# KiCad board panel.kicad_pcb (continued)
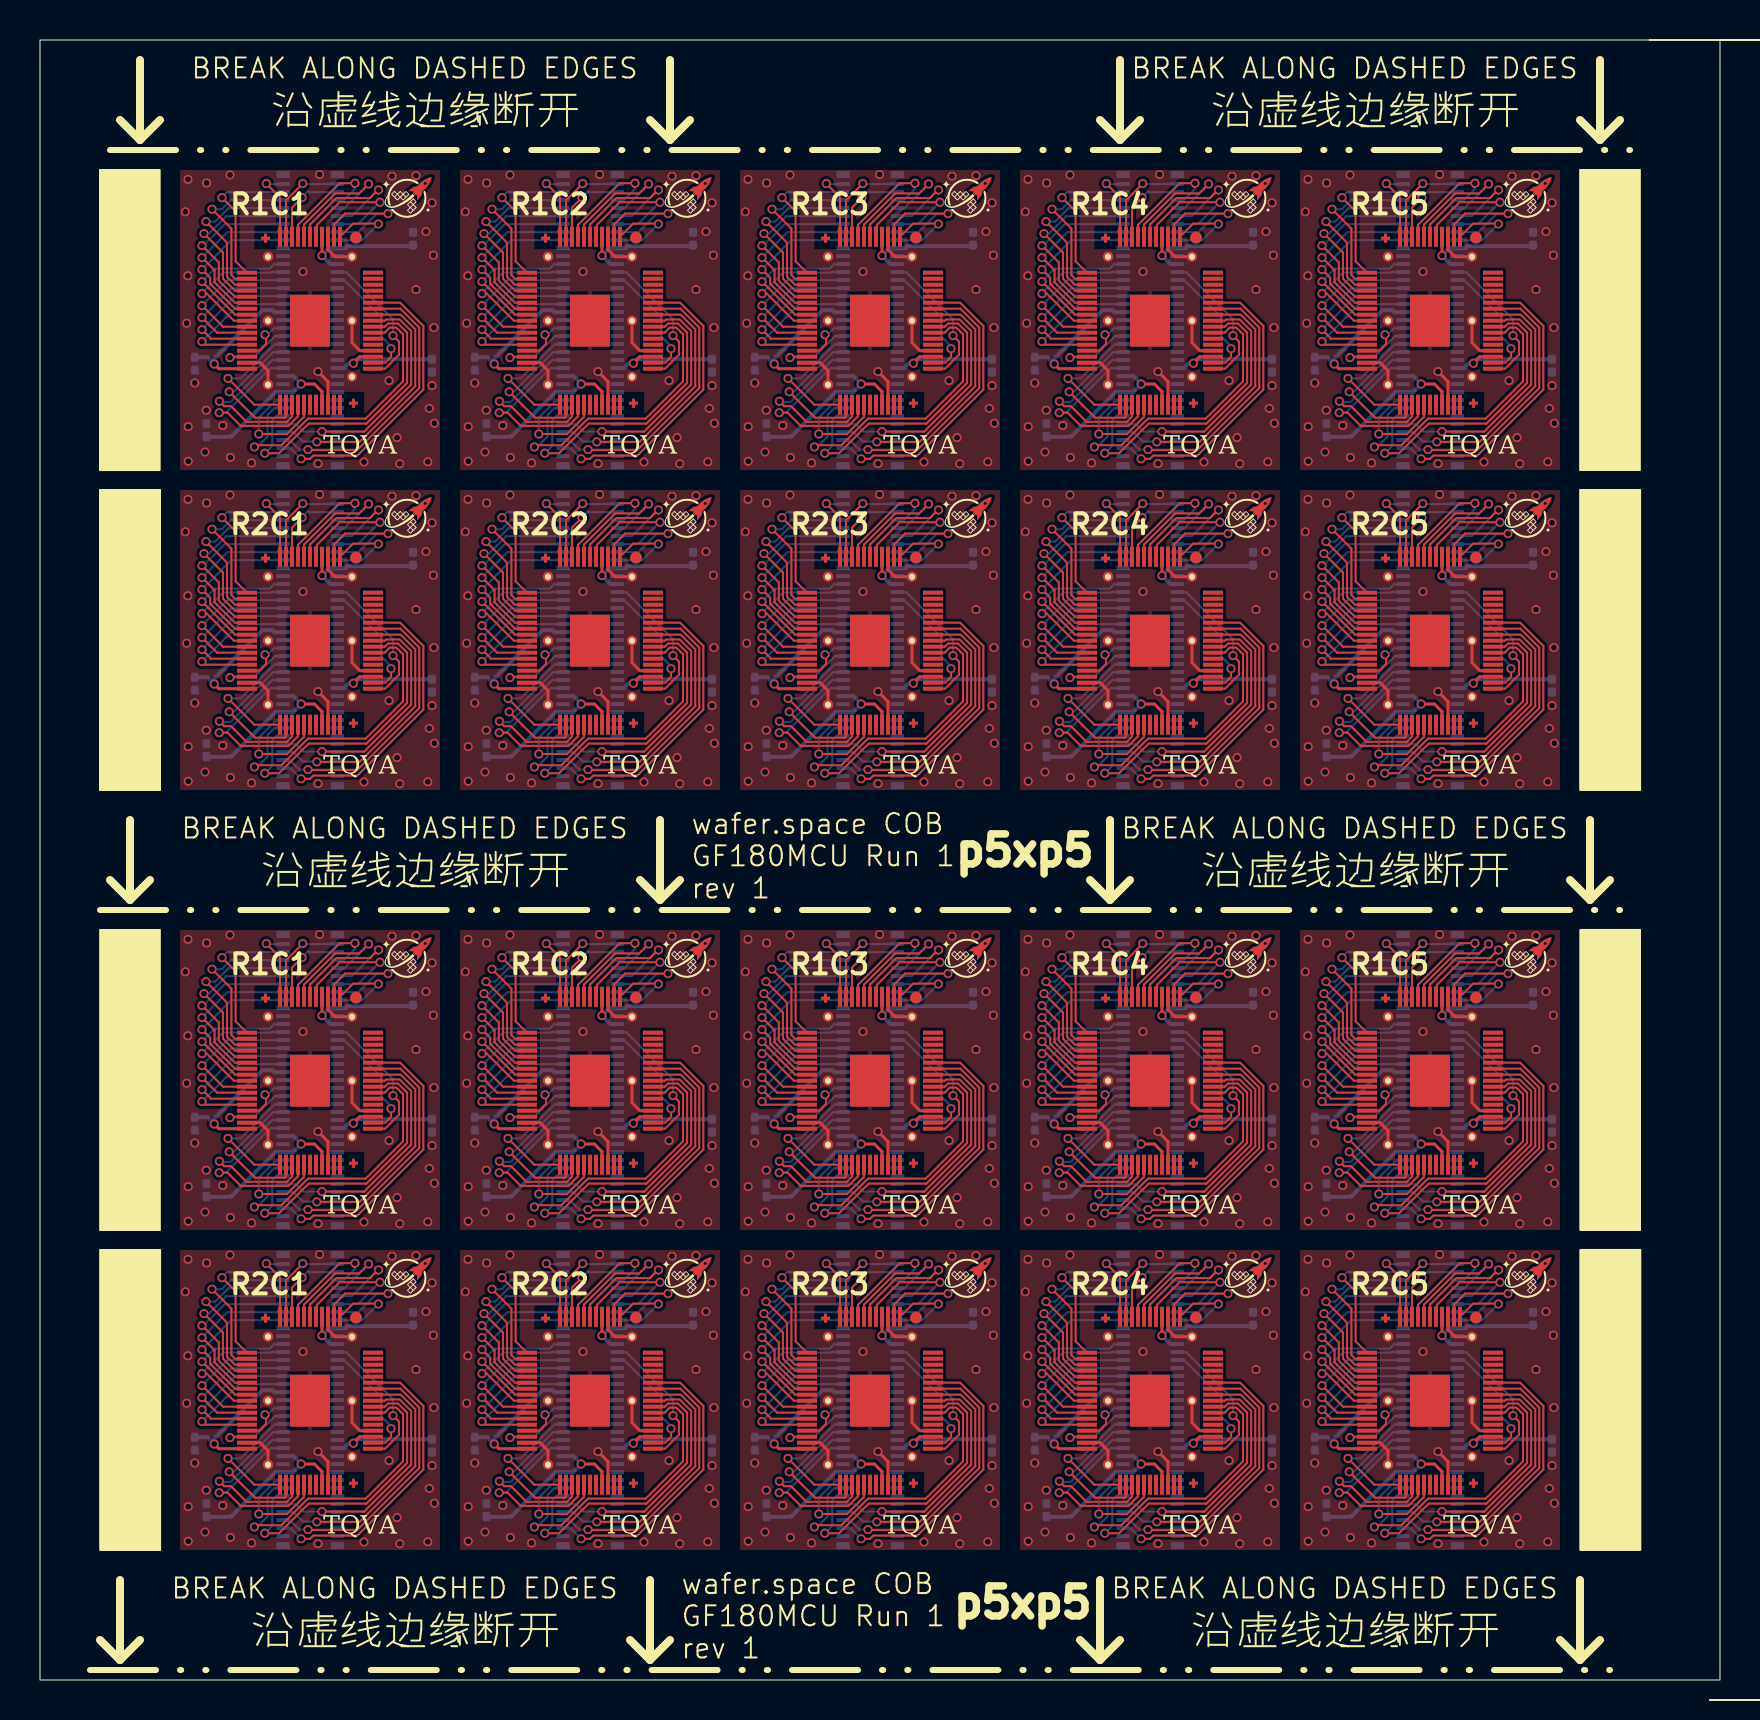
[diagram p0: board, top side]
## Nets (continued)
/bidir_7: U101.69 U101#2.69 U102.12 U102#2.12 U103.69 U103#2.69 U104.12 U104#2.12 U105.69 U105#2.69 U106.12 U106#2.12 U107.69 U107#2.69 U108.12 U108#2.12 U109.69 U109#2.69 U110.12 U110#2.12 U111.69 U111#2.69 U112.12 U112#2.12 U113.69 U113#2.69 U114.12 U114#2.12 U115.69 U115#2.69 U116.12 U116#2.12 U117.69 U117#2.69 U118.12 U118#2.12 U119.69 U119#2.69 U120.12 U120#2.12
/bidir_8: U101.68 U101#2.68 U102.13 U102#2.13 U103.68 U103#2.68 U104.13 U104#2.13 U105.68 U105#2.68 U106.13 U106#2.13 U107.68 U107#2.68 U108.13 U108#2.13 U109.68 U109#2.68 U110.13 U110#2.13 U111.68 U111#2.68 U112.13 U112#2.13 U113.68 U113#2.68 U114.13 U114#2.13 U115.68 U115#2.68 U116.13 U116#2.13 U117.68 U117#2.68 U118.13 U118#2.13 U119.68 U119#2.68 U120.13 U120#2.13
/bidir_9: U101.67 U101#2.67 U102.14 U102#2.14 U103.67 U103#2.67 U104.14 U104#2.14 U105.67 U105#2.67 U106.14 U106#2.14 U107.67 U107#2.67 U108.14 U108#2.14 U109.67 U109#2.67 U110.14 U110#2.14 U111.67 U111#2.67 U112.14 U112#2.14 U113.67 U113#2.67 U114.14 U114#2.14 U115.67 U115#2.67 U116.14 U116#2.14 U117.67 U117#2.67 U118.14 U118#2.14 U119.67 U119#2.67 U120.14 U120#2.14
/bidir_10: U101.66 U101#2.66 U102.15 U102#2.15 U103.66 U103#2.66 U104.15 U104#2.15 U105.66 U105#2.66 U106.15 U106#2.15 U107.66 U107#2.66 U108.15 U108#2.15 U109.66 U109#2.66 U110.15 U110#2.15 U111.66 U111#2.66 U112.15 U112#2.15 U113.66 U113#2.66 U114.15 U114#2.15 U115.66 U115#2.66 U116.15 U116#2.15 U117.66 U117#2.66 U118.15 U118#2.15 U119.66 U119#2.66 U120.15 U120#2.15
/bidir_11: U101.65 U101#2.65 U102.16 U102#2.16 U103.65 U103#2.65 U104.16 U104#2.16 U105.65 U105#2.65 U106.16 U106#2.16 U107.65 U107#2.65 U108.16 U108#2.16 U109.65 U109#2.65 U110.16 U110#2.16 U111.65 U111#2.65 U112.16 U112#2.16 U113.65 U113#2.65 U114.16 U114#2.16 U115.65 U115#2.65 U116.16 U116#2.16 U117.65 U117#2.65 U118.16 U118#2.16 U119.65 U119#2.65 U120.16 U120#2.16
/bidir_12: U101.64 U101#2.64 U102.17 U102#2.17 U103.64 U103#2.64 U104.17 U104#2.17 U105.64 U105#2.64 U106.17 U106#2.17 U107.64 U107#2.64 U108.17 U108#2.17 U109.64 U109#2.64 U110.17 U110#2.17 U111.64 U111#2.64 U112.17 U112#2.17 U113.64 U113#2.64 U114.17 U114#2.17 U115.64 U115#2.64 U116.17 U116#2.17 U117.64 U117#2.64 U118.17 U118#2.17 U119.64 U119#2.64 U120.17 U120#2.17
/bidir_13: U101.63 U101#2.63 U102.18 U102#2.18 U103.63 U103#2.63 U104.18 U104#2.18 U105.63 U105#2.63 U106.18 U106#2.18 U107.63 U107#2.63 U108.18 U108#2.18 U109.63 U109#2.63 U110.18 U110#2.18 U111.63 U111#2.63 U112.18 U112#2.18 U113.63 U113#2.63 U114.18 U114#2.18 U115.63 U115#2.63 U116.18 U116#2.18 U117.63 U117#2.63 U118.18 U118#2.18 U119.63 U119#2.63 U120.18 U120#2.18
/bidir_14: U101.60 U101#2.60 U102.19 U102#2.19 U103.60 U103#2.60 U104.19 U104#2.19 U105.60 U105#2.60 U106.19 U106#2.19 U107.60 U107#2.60 U108.19 U108#2.19 U109.60 U109#2.60 U110.19 U110#2.19 U111.60 U111#2.60 U112.19 U112#2.19 U113.60 U113#2.60 U114.19 U114#2.19 U115.60 U115#2.60 U116.19 U116#2.19 U117.60 U117#2.60 U118.19 U118#2.19 U119.60 U119#2.60 U120.19 U120#2.19
/bidir_15: U101.59 U101#2.59 U102.20 U102#2.20 U103.59 U103#2.59 U104.20 U104#2.20 U105.59 U105#2.59 U106.20 U106#2.20 U107.59 U107#2.59 U108.20 U108#2.20 U109.59 U109#2.59 U110.20 U110#2.20 U111.59 U111#2.59 U112.20 U112#2.20 U113.59 U113#2.59 U114.20 U114#2.20 U115.59 U115#2.59 U116.20 U116#2.20 U117.59 U117#2.59 U118.20 U118#2.20 U119.59 U119#2.59 U120.20 U120#2.20
/bidir_16: U101.58 U101#2.58 U102.21 U102#2.21 U103.58 U103#2.58 U104.21 U104#2.21 U105.58 U105#2.58 U106.21 U106#2.21 U107.58 U107#2.58 U108.21 U108#2.21 U109.58 U109#2.58 U110.21 U110#2.21 U111.58 U111#2.58 U112.21 U112#2.21 U113.58 U113#2.58 U114.21 U114#2.21 U115.58 U115#2.58 U116.21 U116#2.21 U117.58 U117#2.58 U118.21 U118#2.21 U119.58 U119#2.58 U120.21 U120#2.21
/bidir_17: U101.57 U101#2.57 U102.22 U102#2.22 U103.57 U103#2.57 U104.22 U104#2.22 U105.57 U105#2.57 U106.22 U106#2.22 U107.57 U107#2.57 U108.22 U108#2.22 U109.57 U109#2.57 U110.22 U110#2.22 U111.57 U111#2.57 U112.22 U112#2.22 U113.57 U113#2.57 U114.22 U114#2.22 U115.57 U115#2.57 U116.22 U116#2.22 U117.57 U117#2.57 U118.22 U118#2.22 U119.57 U119#2.57 U120.22 U120#2.22
/bidir_18: U101.56 U101#2.56 U102.23 U102#2.23 U103.56 U103#2.56 U104.23 U104#2.23 U105.56 U105#2.56 U106.23 U106#2.23 U107.56 U107#2.56 U108.23 U108#2.23 U109.56 U109#2.56 U110.23 U110#2.23 U111.56 U111#2.56 U112.23 U112#2.23 U113.56 U113#2.56 U114.23 U114#2.23 U115.56 U115#2.56 U116.23 U116#2.23 U117.56 U117#2.56 U118.23 U118#2.23 U119.56 U119#2.56 U120.23 U120#2.23
/bidir_19: U101.55 U101#2.55 U102.24 U102#2.24 U103.55 U103#2.55 U104.24 U104#2.24 U105.55 U105#2.55 U106.24 U106#2.24 U107.55 U107#2.55 U108.24 U108#2.24 U109.55 U109#2.55 U110.24 U110#2.24 U111.55 U111#2.55 U112.24 U112#2.24 U113.55 U113#2.55 U114.24 U114#2.24 U115.55 U115#2.55 U116.24 U116#2.24 U117.55 U117#2.55 U118.24 U118#2.24 U119.55 U119#2.55 U120.24 U120#2.24
/bidir_20: U101.52 U101#2.52 U102.25 U102#2.25 U103.52 U103#2.52 U104.25 U104#2.25 U105.52 U105#2.52 U106.25 U106#2.25 U107.52 U107#2.52 U108.25 U108#2.25 U109.52 U109#2.52 U110.25 U110#2.25 U111.52 U111#2.52 U112.25 U112#2.25 U113.52 U113#2.52 U114.25 U114#2.25 U115.52 U115#2.52 U116.25 U116#2.25 U117.52 U117#2.52 U118.25 U118#2.25 U119.52 U119#2.52 U120.25 U120#2.25
/bidir_21: U101.51 U101#2.51 U102.26 U102#2.26 U103.51 U103#2.51 U104.26 U104#2.26 U105.51 U105#2.51 U106.26 U106#2.26 U107.51 U107#2.51 U108.26 U108#2.26 U109.51 U109#2.51 U110.26 U110#2.26 U111.51 U111#2.51 U112.26 U112#2.26 U113.51 U113#2.51 U114.26 U114#2.26 U115.51 U115#2.51 U116.26 U116#2.26 U117.51 U117#2.51 U118.26 U118#2.26 U119.51 U119#2.51 U120.26 U120#2.26
/bidir_22: U101.50 U101#2.50 U102.29 U102#2.29 U103.50 U103#2.50 U104.29 U104#2.29 U105.50 U105#2.50 U106.29 U106#2.29 U107.50 U107#2.50 U108.29 U108#2.29 U109.50 U109#2.50 U110.29 U110#2.29 U111.50 U111#2.50 U112.29 U112#2.29 U113.50 U113#2.50 U114.29 U114#2.29 U115.50 U115#2.50 U116.29 U116#2.29 U117.50 U117#2.50 U118.29 U118#2.29 U119.50 U119#2.50 U120.29 U120#2.29
/bidir_23: U101.49 U101#2.49 U102.30 U102#2.30 U103.49 U103#2.49 U104.30 U104#2.30 U105.49 U105#2.49 U106.30 U106#2.30 U107.49 U107#2.49 U108.30 U108#2.30 U109.49 U109#2.49 U110.30 U110#2.30 U111.49 U111#2.49 U112.30 U112#2.30 U113.49 U113#2.49 U114.30 U114#2.30 U115.49 U115#2.49 U116.30 U116#2.30 U117.49 U117#2.49 U118.30 U118#2.30 U119.49 U119#2.49 U120.30 U120#2.30
/bidir_24: U101.48 U101#2.48 U102.31 U102#2.31 U103.48 U103#2.48 U104.31 U104#2.31 U105.48 U105#2.48 U106.31 U106#2.31 U107.48 U107#2.48 U108.31 U108#2.31 U109.48 U109#2.48 U110.31 U110#2.31 U111.48 U111#2.48 U112.31 U112#2.31 U113.48 U113#2.48 U114.31 U114#2.31 U115.48 U115#2.48 U116.31 U116#2.31 U117.48 U117#2.48 U118.31 U118#2.31 U119.48 U119#2.48 U120.31 U120#2.31
/bidir_25: U101.47 U101#2.47 U102.32 U102#2.32 U103.47 U103#2.47 U104.32 U104#2.32 U105.47 U105#2.47 U106.32 U106#2.32 U107.47 U107#2.47 U108.32 U108#2.32 U109.47 U109#2.47 U110.32 U110#2.32 U111.47 U111#2.47 U112.32 U112#2.32 U113.47 U113#2.47 U114.32 U114#2.32 U115.47 U115#2.47 U116.32 U116#2.32 U117.47 U117#2.47 U118.32 U118#2.32 U119.47 U119#2.47 U120.32 U120#2.32
/bidir_26: U101.43 U101#2.43 U102.33 U102#2.33 U103.43 U103#2.43 U104.33 U104#2.33 U105.43 U105#2.43 U106.33 U106#2.33 U107.43 U107#2.43 U108.33 U108#2.33 U109.43 U109#2.43 U110.33 U110#2.33 U111.43 U111#2.43 U112.33 U112#2.33 U113.43 U113#2.43 U114.33 U114#2.33 U115.43 U115#2.43 U116.33 U116#2.33 U117.43 U117#2.43 U118.33 U118#2.33 U119.43 U119#2.43 U120.33 U120#2.33
/bidir_27: U101.42 U101#2.42 U102.46 U102#2.46 U103.42 U103#2.42 U104.46 U104#2.46 U105.42 U105#2.42 U106.46 U106#2.46 U107.42 U107#2.42 U108.46 U108#2.46 U109.42 U109#2.42 U110.46 U110#2.46 U111.42 U111#2.42 U112.46 U112#2.46 U113.42 U113#2.42 U114.46 U114#2.46 U115.42 U115#2.42 U116.46 U116#2.46 U117.42 U117#2.42 U118.46 U118#2.46 U119.42 U119#2.42 U120.46 U120#2.46
/bidir_28: U101.41 U101#2.41 U102.47 U102#2.47 U103.41 U103#2.41 U104.47 U104#2.47 U105.41 U105#2.41 U106.47 U106#2.47 U107.41 U107#2.41 U108.47 U108#2.47 U109.41 U109#2.41 U110.47 U110#2.47 U111.41 U111#2.41 U112.47 U112#2.47 U113.41 U113#2.41 U114.47 U114#2.47 U115.41 U115#2.41 U116.47 U116#2.47 U117.41 U117#2.41 U118.47 U118#2.47 U119.41 U119#2.41 U120.47 U120#2.47
/bidir_29: U101.40 U101#2.40 U102.48 U102#2.48 U103.40 U103#2.40 U104.48 U104#2.48 U105.40 U105#2.40 U106.48 U106#2.48 U107.40 U107#2.40 U108.48 U108#2.48 U109.40 U109#2.40 U110.48 U110#2.48 U111.40 U111#2.40 U112.48 U112#2.48 U113.40 U113#2.40 U114.48 U114#2.48 U115.40 U115#2.40 U116.48 U116#2.48 U117.40 U117#2.40 U118.48 U118#2.48 U119.40 U119#2.40 U120.48 U120#2.48
/bidir_30: U101.39 U101#2.39 U102.49 U102#2.49 U103.39 U103#2.39 U104.49 U104#2.49 U105.39 U105#2.39 U106.49 U106#2.49 U107.39 U107#2.39 U108.49 U108#2.49 U109.39 U109#2.39 U110.49 U110#2.49 U111.39 U111#2.39 U112.49 U112#2.49 U113.39 U113#2.39 U114.49 U114#2.49 U115.39 U115#2.39 U116.49 U116#2.49 U117.39 U117#2.39 U118.49 U118#2.49 U119.39 U119#2.39 U120.49 U120#2.49
/bidir_31: U101.38 U101#2.38 U102.50 U102#2.50 U103.38 U103#2.38 U104.50 U104#2.50 U105.38 U105#2.38 U106.50 U106#2.50 U107.38 U107#2.38 U108.50 U108#2.50 U109.38 U109#2.38 U110.50 U110#2.50 U111.38 U111#2.38 U112.50 U112#2.50 U113.38 U113#2.38 U114.50 U114#2.50 U115.38 U115#2.38 U116.50 U116#2.50 U117.38 U117#2.38 U118.50 U118#2.50 U119.38 U119#2.38 U120.50 U120#2.50
/bidir_32: U101.37 U101#2.37 U102.51 U102#2.51 U103.37 U103#2.37 U104.51 U104#2.51 U105.37 U105#2.37 U106.51 U106#2.51 U107.37 U107#2.37 U108.51 U108#2.51 U109.37 U109#2.37 U110.51 U110#2.51 U111.37 U111#2.37 U112.51 U112#2.51 U113.37 U113#2.37 U114.51 U114#2.51 U115.37 U115#2.37 U116.51 U116#2.51 U117.37 U117#2.37 U118.51 U118#2.51 U119.37 U119#2.37 U120.51 U120#2.51
/clk: U101.8 U101#2.8 U102.1 U102#2.1 U103.8 U103#2.8 U104.1 U104#2.1 U105.8 U105#2.8 U106.1 U106#2.1 U107.8 U107#2.8 U108.1 U108#2.1 U109.8 U109#2.8 U110.1 U110#2.1 U111.8 U111#2.8 U112.1 U112#2.1 U113.8 U113#2.8 U114.1 U114#2.1 U115.8 U115#2.8 U116.1 U116#2.1 U117.8 U117#2.8 U118.1 U118#2.1 U119.8 U119#2.8 U120.1 U120#2.1
/in_0: U101.12 U101#2.12 U102.40 U102#2.40 U103.12 U103#2.12 U104.40 U104#2.40 U105.12 U105#2.12 U106.40 U106#2.40 U107.12 U107#2.12 U108.40 U108#2.40 U109.12 U109#2.12 U110.40 U110#2.40 U111.12 U111#2.12 U112.40 U112#2.40 U113.12 U113#2.12 U114.40 U114#2.40 U115.12 U115#2.12 U116.40 U116#2.40 U117.12 U117#2.12 U118.40 U118#2.40 U119.12 U119#2.12 U120.40 U120#2.40
/in_1: U101.13 U101#2.13 U102.41 U102#2.41 U103.13 U103#2.13 U104.41 U104#2.41 U105.13 U105#2.13 U106.41 U106#2.41 U107.13 U107#2.13 U108.41 U108#2.41 U109.13 U109#2.13 U110.41 U110#2.41 U111.13 U111#2.13 U112.41 U112#2.41 U113.13 U113#2.13 U114.41 U114#2.41 U115.13 U115#2.13 U116.41 U116#2.41 U117.13 U117#2.13 U118.41 U118#2.41 U119.13 U119#2.13 U120.41 U120#2.41
/rst_n: U101.7 U101#2.7 U102.2 U102#2.2 U103.7 U103#2.7 U104.2 U104#2.2 U105.7 U105#2.7 U106.2 U106#2.2 U107.7 U107#2.7 U108.2 U108#2.2 U109.7 U109#2.7 U110.2 U110#2.2 U111.7 U111#2.7 U112.2 U112#2.2 U113.7 U113#2.7 U114.2 U114#2.2 U115.7 U115#2.7 U116.2 U116#2.2 U117.7 U117#2.7 U118.2 U118#2.2 U119.7 U119#2.7 U120.2 U120#2.2

Pads without a net: U101 14 15 16 17 19 20 21 22 23 26 27 28 29 30 31 32 33 34 35 36 62; U101#2 14 15 16 17 19 20 21 22 23 26 27 28 29 30 31 32 33 34 35 36 62; U102 34 35 38 39 44 45 52 53 54 55 56; U102#2 34 35 38 39 44 45 52 53 54 55 56; U103 14 15 16 17 19 20 21 22 23 26 27 28 29 30 31 32 33 34 35 36 62; U103#2 14 15 16 17 19 20 21 22 23 26 27 28 29 30 31 32 33 34 35 36 62; U104 34 35 38 39 44 45 52 53 54 55 56; U104#2 34 35 38 39 44 45 52 53 54 55 56; U105 14 15 16 17 19 20 21 22 23 26 27 28 29 30 31 32 33 34 35 36 62; U105#2 14 15 16 17 19 20 21 22 23 26 27 28 29 30 31 32 33 34 35 36 62; U106 34 35 38 39 44 45 52 53 54 55 56; U106#2 34 35 38 39 44 45 52 53 54 55 56; U107 14 15 16 17 19 20 21 22 23 26 27 28 29 30 31 32 33 34 35 36 62; U107#2 14 15 16 17 19 20 21 22 23 26 27 28 29 30 31 32 33 34 35 36 62; U108 34 35 38 39 44 45 52 53 54 55 56; U108#2 34 35 38 39 44 45 52 53 54 55 56; U109 14 15 16 17 19 20 21 22 23 26 27 28 29 30 31 32 33 34 35 36 62; U109#2 14 15 16 17 19 20 21 22 23 26 27 28 29 30 31 32 33 34 35 36 62; U110 34 35 38 39 44 45 52 53 54 55 56; U110#2 34 35 38 39 44 45 52 53 54 55 56; U111 14 15 16 17 19 20 21 22 23 26 27 28 29 30 31 32 33 34 35 36 62; U111#2 14 15 16 17 19 20 21 22 23 26 27 28 29 30 31 32 33 34 35 36 62; U112 34 35 38 39 44 45 52 53 54 55 56; U112#2 34 35 38 39 44 45 52 53 54 55 56; U113 14 15 16 17 19 20 21 22 23 26 27 28 29 30 31 32 33 34 35 36 62; U113#2 14 15 16 17 19 20 21 22 23 26 27 28 29 30 31 32 33 34 35 36 62; U114 34 35 38 39 44 45 52 53 54 55 56; U114#2 34 35 38 39 44 45 52 53 54 55 56; U115 14 15 16 17 19 20 21 22 23 26 27 28 29 30 31 32 33 34 35 36 62; U115#2 14 15 16 17 19 20 21 22 23 26 27 28 29 30 31 32 33 34 35 36 62; U116 34 35 38 39 44 45 52 53 54 55 56; U116#2 34 35 38 39 44 45 52 53 54 55 56; U117 14 15 16 17 19 20 21 22 23 26 27 28 29 30 31 32 33 34 35 36 62; U117#2 14 15 16 17 19 20 21 22 23 26 27 28 29 30 31 32 33 34 35 36 62; U118 34 35 38 39 44 45 52 53 54 55 56; U118#2 34 35 38 39 44 45 52 53 54 55 56; U119 14 15 16 17 19 20 21 22 23 26 27 28 29 30 31 32 33 34 35 36 62; U119#2 14 15 16 17 19 20 21 22 23 26 27 28 29 30 31 32 33 34 35 36 62; U120 34 35 38 39 44 45 52 53 54 55 56; U120#2 34 35 38 39 44 45 52 53 54 55 56

## Via types
v1: diameter 0.45, hole 0.3, Top to Bottom, 1480 vias

## Routing (per net, layer and track width the routed paths; a pad name or vN(x,y) marks a point on that pad's centre or on a via; arc(x,y) is an arc through that point)
GND: length 161.8
  Top w0.15: U116#2.43 43.99,12.47 43.6,12.86 U116#2.59 ; U104#2.60 28.76,33.17 28.4,33.52 U104#2.3 ; v1(27.9,65.42) 28.4,64.92 U104.37 ; U116#2.27 39.01,11.86 39.4,11.47 U116#2.63 ; U106.60 42.76,33.17 42.4,33.52 U106.3 ; U120.43 71.99,50.47 71.6,50.86 U120.59 ; U110.60 70.76,33.17 70.4,33.52 U110.3 ; U106#2.43 43.99,66.47 43.6,66.86 U106#2.59 ; U110.27 67.01,27.86 67.4,27.47 U110.63 ; U102#2.60 14.76,33.17 14.4,33.52 U102#2.3 ; U120#2.27 67.01,11.86 67.4,11.47 U120#2.63 ; v1(55.9,65.42) 56.4,64.92 U108#2.37 ; U116.59 43.6,50.86 43.99,50.47 U116.43 ; U110.37 70.4,26.92 v1(69.9,27.42) ; v1(69.9,11.42) 70.4,10.92 U120#2.37 ; U118.27 53.01,49.86 53.4,49.47 U118.63 ; U114#2.63 25.4,49.47 25.01,49.86 U114#2.27 ; v1(55.9,49.42) 56.4,48.92 U118.37 ; U106.43 43.99,28.47 43.6,28.86 U106.59 ; U112.59 15.6,50.86 15.99,50.47 U112.43 ; U102.27 11.01,65.87 11.4,65.47 U102.63 ; v1(13.9,49.42) 14.4,48.92 U112.37 ; U112.60 14.76,55.17 14.4,55.52 U112.3 ; U110#2.60 70.76,71.16 70.4,71.52 U110#2.3 ; U114.37 28.4,10.92 v1(27.9,11.42) ; U104#2.27 25.01,27.86 25.4,27.47 U104#2.63 ; U108#2.60 56.76,71.16 56.4,71.52 U108#2.3 ; U120.63 67.4,49.47 67.01,49.86 U120.27 ; U104.27 25.01,65.87 25.4,65.47 U104.63 ; U104#2.43 29.99,28.47 29.6,28.86 U104#2.59 ; U108.63 53.4,27.47 53.01,27.86 U108.27 ; U116.63 39.4,49.47 39.01,49.86 U116.27 ; U108.60 56.76,33.17 56.4,33.52 U108.3 ; U112#2.37 14.4,10.92 v1(13.9,11.42) ; U112#2.3 14.4,17.52 14.76,17.17 U112#2.60 ; v1(13.9,65.42) 14.4,64.92 U102.37 ; U108.43 57.99,28.47 57.6,28.86 U108.59 ; v1(41.9,49.42) 42.4,48.92 U116.37 ; U110#2.43 71.99,66.47 71.6,66.86 U110#2.59 ; U114.27 25.01,11.86 25.4,11.47 U114.63 ; v1(69.9,49.42) 70.4,48.92 U120.37 ; U106#2.37 42.4,64.92 v1(41.9,65.42) ; U112.27 11.01,49.86 11.4,49.47 U112.63 ; U104.60 28.76,71.16 28.4,71.52 U104.3 ; U116.3 42.4,55.52 42.76,55.17 U116.60 ; v1(27.9,27.42) 28.4,26.92 U104#2.37 ; U120#2.60 70.76,17.17 70.4,17.52 U120#2.3 ; U106#2.60 42.76,71.16 42.4,71.52 U106#2.3 ; U108#2.43 57.99,66.47 57.6,66.86 U108#2.59 ; U118#2.37 56.4,10.92 v1(55.9,11.42) ; U108#2.63 53.4,65.47 53.01,65.87 U108#2.27 ; U102#2.27 11.01,27.86 11.4,27.47 U102#2.63 ; U106.63 39.4,27.47 39.01,27.86 U106.27 ; U110#2.37 70.4,64.92 v1(69.9,65.42) ; U120.60 70.76,55.17 70.4,55.52 U120.3 ; U114#2.59 29.6,50.86 29.99,50.47 U114#2.43 ; U112#2.59 15.6,12.86 15.99,12.47 U112#2.43 ; U114.60 28.76,17.17 28.4,17.52 U114.3 ; v1(55.9,27.42) 56.4,26.92 U108.37 ; U118.60 56.76,55.17 56.4,55.52 U118.3 ; v1(27.9,49.42) 28.4,48.92 U114#2.37 ; U106#2.63 39.4,65.47 39.01,65.87 U106#2.27 ; U118#2.3 56.4,17.52 56.76,17.17 U118#2.60 ; U116#2.37 42.4,10.92 v1(41.9,11.42) ; U104.59 29.6,66.86 29.99,66.47 U104.43 ; U102#2.59 15.6,28.86 15.99,28.47 U102#2.43 ; U102.59 15.6,66.86 15.99,66.47 U102.43 ; U118#2.43 57.99,12.47 57.6,12.86 U118#2.59 ; U114#2.3 28.4,55.52 28.76,55.17 U114#2.60 ; U118#2.63 53.4,11.47 53.01,11.86 U118#2.27 ; U114.43 29.99,12.47 29.6,12.86 U114.59 ; U106.37 42.4,26.92 v1(41.9,27.42) ; U116#2.3 42.4,17.52 42.76,17.17 U116#2.60 ; U120#2.43 71.99,12.47 71.6,12.86 U120#2.59 ; U112#2.27 11.01,11.86 11.4,11.47 U112#2.63 ; U110#2.27 67.01,65.87 67.4,65.47 U110#2.63 ; U102#2.37 14.4,26.92 v1(13.9,27.42) ; U110.59 71.6,28.86 71.99,28.47 U110.43 ; U118.43 57.99,50.47 57.6,50.86 U118.59 ; U102.3 14.4,71.52 14.76,71.16 U102.60
  vias: v1(7.26,73.41) v1(7.26,57.41) v1(7.26,35.41) v1(7.26,19.41) v1(7.4,75.03) v1(7.39,70.21) v1(7.33,67.84) v1(7.41,62.67) v1(7.41,60.94) v1(7.4,59.03) v1(7.39,54.21) v1(7.33,51.84) v1(7.41,46.67) v1(7.41,44.94) v1(7.4,37.03) v1(7.39,32.21) v1(7.33,29.84) v1(7.41,24.67) v1(7.41,22.94) v1(7.4,21.03) v1(7.39,16.21) v1(7.33,13.84) v1(7.41,8.67) v1(7.41,6.94) v1(7.74,64.85) v1(7.74,48.85) v1(7.74,26.85) v1(7.74,10.85) v1(8.31,63.49) v1(8.25,61.4) v1(8.31,47.49) v1(8.25,45.4) v1(8.31,25.49) v1(8.25,23.4) v1(8.31,9.49) v1(8.25,7.4) v1(8.33,74.85) v1(8.33,58.85) v1(8.33,36.85) v1(8.33,20.85) v1(9.14,62.73) v1(9.14,46.73) v1(9.14,24.73) v1(9.14,8.73) v1(9.5,75.25) v1(9.52,61.13) v1(9.5,59.25) v1(9.52,45.13) v1(9.5,37.25) v1(9.52,23.13) v1(9.5,21.25) v1(9.52,7.13) v1(10.58,60.85) v1(10.58,44.85) v1(10.58,22.85) v1(10.58,6.85) v1(13.15,70.42) v1(13.15,54.42) v1(13.15,32.42) v1(13.15,16.42) v1(13.9,60.82) v1(13.9,44.82) v1(13.9,22.82) v1(13.9,6.82) v1(13.98,75.28) v1(13.98,59.28) v1(13.98,37.28) v1(13.98,21.28) v1(16.2,60.9) v1(16.2,44.9) v1(16.2,22.9) v1(16.2,6.9) v1(17.45,64.97) v1(17.45,48.97) v1(17.45,26.97) v1(17.45,10.97) v1(17.6,75.19) v1(17.6,59.19) v1(17.6,37.19) v1(17.6,21.19) v1(17.85,62.12) v1(17.85,46.12) v1(17.85,24.12) v1(17.85,8.12) v1(17.99,60.81) v1(17.99,44.81) v1(17.99,22.81) v1(17.99,6.81) v1(18.8,75.22) v1(18.8,69.52) v1(18.8,59.22) v1(18.8,53.52) v1(18.8,37.22) v1(18.8,31.52) v1(18.8,21.22) v1(18.8,15.52) v1(19.3,72.42) v1(19.3,56.42) v1(19.3,34.42) v1(19.3,18.42) v1(19.39,60.91) v1(19.39,44.91) v1(19.39,22.91) v1(19.39,6.91) v1(19.46,63.58) v1(19.46,47.58) v1(19.46,25.58) v1(19.46,9.58) v1(19.6,73.86) v1(19.6,64.72) v1(19.6,57.86) v1(19.6,48.72) v1(19.6,35.86) v1(19.6,26.72) v1(19.6,19.86) v1(19.6,10.72) v1(19.67,71.24) v1(19.7,67.62) v1(19.72,62.84) v1(19.67,55.24) v1(19.7,51.62) v1(19.72,46.84) v1(19.67,33.24) v1(19.7,29.62) v1(19.72,24.84) v1(19.67,17.24) v1(19.7,13.62) v1(19.72,8.84) v1(21.26,73.41) v1(21.26,57.41) v1(21.26,35.41) v1(21.26,19.41) v1(21.4,75.03) v1(21.39,70.21) v1(21.33,67.84) v1(21.41,62.67) v1(21.41,60.94) v1(21.4,59.03) v1(21.39,54.21) v1(21.33,51.84) v1(21.41,46.67) v1(21.41,44.94) v1(21.4,37.03) v1(21.39,32.21) v1(21.33,29.84) v1(21.41,24.67) v1(21.41,22.94) v1(21.4,21.03) v1(21.39,16.21) v1(21.33,13.84) v1(21.41,8.67) v1(21.41,6.94) v1(21.74,64.85) v1(21.74,48.85) v1(21.74,26.85) v1(21.74,10.85) v1(22.31,63.49) v1(22.25,61.4) v1(22.31,47.49) v1(22.25,45.4) v1(22.31,25.49) v1(22.25,23.4) v1(22.31,9.49) v1(22.25,7.4) v1(22.33,74.85) v1(22.33,58.85) v1(22.33,36.85) v1(22.33,20.85) v1(23.14,62.73) v1(23.14,46.73) v1(23.14,24.73) v1(23.14,8.73) v1(23.5,75.25) v1(23.52,61.13) v1(23.5,59.25) v1(23.52,45.13) v1(23.5,37.25) v1(23.52,23.13) v1(23.5,21.25) v1(23.52,7.13) v1(24.58,60.85) v1(24.58,44.85) v1(24.58,22.85) v1(24.58,6.85) v1(27.15,70.42) v1(27.15,54.42) v1(27.15,32.42) v1(27.15,16.42) v1(27.9,60.82) v1(27.9,44.82) v1(27.9,22.82) v1(27.9,6.82) v1(27.98,75.28) v1(27.98,59.28) v1(27.98,37.28) v1(27.98,21.28) v1(30.2,60.9) v1(30.2,44.9) v1(30.2,22.9) v1(30.2,6.9) v1(31.45,64.97) v1(31.45,48.97) v1(31.45,26.97) v1(31.45,10.97) v1(31.6,75.19) v1(31.6,59.19) v1(31.6,37.19) v1(31.6,21.19) v1(31.85,62.12) v1(31.85,46.12) v1(31.85,24.12) v1(31.85,8.12) v1(31.99,60.81) v1(31.99,44.81) v1(31.99,22.81) v1(31.99,6.81) v1(32.8,75.22) v1(32.8,69.52) v1(32.8,59.22) v1(32.8,53.52) v1(32.8,37.22) v1(32.8,31.52) v1(32.8,21.22) v1(32.8,15.52) v1(33.3,72.42) v1(33.3,56.42) v1(33.3,34.42) v1(33.3,18.42) v1(33.39,60.91) v1(33.39,44.91) v1(33.39,22.91) v1(33.39,6.91) v1(33.46,63.58) v1(33.46,47.58) v1(33.46,25.58) v1(33.46,9.58) v1(33.6,73.86) v1(33.6,64.72) v1(33.6,57.86) v1(33.6,48.72) v1(33.6,35.86) v1(33.6,26.72) v1(33.6,19.86) v1(33.6,10.72) v1(33.67,71.24) v1(33.7,67.62) v1(33.72,62.84) v1(33.67,55.24) v1(33.7,51.62) v1(33.72,46.84) v1(33.67,33.24) v1(33.7,29.62) v1(33.72,24.84) v1(33.67,17.24) v1(33.7,13.62) v1(33.72,8.84) v1(35.26,73.41) v1(35.26,57.41) v1(35.26,35.41) v1(35.26,19.41) v1(35.4,75.03) v1(35.39,70.21) v1(35.33,67.84) v1(35.41,62.67) v1(35.41,60.94) v1(35.4,59.03) v1(35.39,54.21) v1(35.33,51.84) v1(35.41,46.67) v1(35.41,44.94) v1(35.4,37.03) v1(35.39,32.21) v1(35.33,29.84) v1(35.41,24.67) v1(35.41,22.94) v1(35.4,21.03) v1(35.39,16.21) v1(35.33,13.84) v1(35.41,8.67) v1(35.41,6.94) v1(35.74,64.85) v1(35.74,48.85) v1(35.74,26.85) v1(35.74,10.85) v1(36.31,63.49) v1(36.25,61.4) v1(36.31,47.49) v1(36.25,45.4) v1(36.31,25.49) v1(36.25,23.4) v1(36.31,9.49) v1(36.25,7.4) v1(36.33,74.85) v1(36.33,58.85) v1(36.33,36.85) v1(36.33,20.85) v1(37.14,62.73) v1(37.14,46.73) v1(37.14,24.73) v1(37.14,8.73) v1(37.5,75.25) v1(37.52,61.13) v1(37.5,59.25) v1(37.52,45.13) v1(37.5,37.25) v1(37.52,23.13) v1(37.5,21.25) v1(37.52,7.13) v1(38.58,60.85) v1(38.58,44.85) v1(38.58,22.85) v1(38.58,6.85) v1(41.15,70.42) v1(41.15,54.42) v1(41.15,32.42) v1(41.15,16.42) v1(41.9,60.82) v1(41.9,44.82) v1(41.9,22.82) v1(41.9,6.82) v1(41.98,75.28) v1(41.98,59.28) v1(41.98,37.28) v1(41.98,21.28) v1(44.2,60.9) v1(44.2,44.9) v1(44.2,22.9) v1(44.2,6.9) v1(45.45,64.97) v1(45.45,48.97) v1(45.45,26.97) v1(45.45,10.97) v1(45.6,75.19) v1(45.6,59.19) v1(45.6,37.19) v1(45.6,21.19) v1(45.85,62.12) v1(45.85,46.12) v1(45.85,24.12) v1(45.85,8.12) v1(45.99,60.81) v1(45.99,44.81) v1(45.99,22.81) v1(45.99,6.81) v1(46.8,75.22) v1(46.8,69.52) v1(46.8,59.22) v1(46.8,53.52) v1(46.8,37.22) v1(46.8,31.52) v1(46.8,21.22) v1(46.8,15.52) v1(47.3,72.42) v1(47.3,56.42) v1(47.3,34.42) v1(47.3,18.42) v1(47.39,60.91) v1(47.39,44.91) v1(47.39,22.91) v1(47.39,6.91) v1(47.46,63.58) v1(47.46,47.58) v1(47.46,25.58) v1(47.46,9.58) v1(47.6,73.86) v1(47.6,64.72) v1(47.6,57.86) v1(47.6,48.72) v1(47.6,35.86) v1(47.6,26.72) v1(47.6,19.86) v1(47.6,10.72) v1(47.67,71.24) v1(47.7,67.62) v1(47.72,62.84) v1(47.67,55.24) v1(47.7,51.62) v1(47.72,46.84) v1(47.67,33.24) v1(47.7,29.62) v1(47.72,24.84) v1(47.67,17.24) v1(47.7,13.62) v1(47.72,8.84) v1(49.26,73.41) v1(49.26,57.41) v1(49.26,35.41) v1(49.26,19.41) v1(49.4,75.03) v1(49.39,70.21) v1(49.33,67.84) v1(49.41,62.67) v1(49.41,60.94) v1(49.4,59.03) v1(49.39,54.21) v1(49.33,51.84) v1(49.41,46.67) v1(49.41,44.94) v1(49.4,37.03) v1(49.39,32.21) v1(49.33,29.84) v1(49.41,24.67) v1(49.41,22.94) v1(49.4,21.03) v1(49.39,16.21) v1(49.33,13.84) v1(49.41,8.67) v1(49.41,6.94) v1(49.74,64.85) v1(49.74,48.85) v1(49.74,26.85) v1(49.74,10.85) v1(50.31,63.49) v1(50.25,61.4) v1(50.31,47.49) v1(50.25,45.4) v1(50.31,25.49) v1(50.25,23.4) v1(50.31,9.49) v1(50.25,7.4) v1(50.33,74.85) v1(50.33,58.85) v1(50.33,36.85) v1(50.33,20.85) v1(51.14,62.73) v1(51.14,46.73) v1(51.14,24.73) v1(51.14,8.73) v1(51.5,75.25) v1(51.52,61.13) v1(51.5,59.25) v1(51.52,45.13) v1(51.5,37.25) v1(51.52,23.13) v1(51.5,21.25) v1(51.52,7.13) v1(52.58,60.85) v1(52.58,44.85) v1(52.58,22.85) v1(52.58,6.85) v1(55.15,70.42) v1(55.15,54.42) v1(55.15,32.42) v1(55.15,16.42) v1(55.9,60.82) v1(55.9,44.82) v1(55.9,22.82) v1(55.9,6.82) v1(55.98,75.28) v1(55.98,59.28) v1(55.98,37.28) v1(55.98,21.28) v1(58.2,60.9) v1(58.2,44.9) v1(58.2,22.9) v1(58.2,6.9) v1(59.45,64.97) v1(59.45,48.97) v1(59.45,26.97) v1(59.45,10.97) v1(59.6,75.19) v1(59.6,59.19) v1(59.6,37.19) v1(59.6,21.19) v1(59.85,62.12) v1(59.85,46.12) v1(59.85,24.12) v1(59.85,8.12) v1(59.99,60.81) v1(59.99,44.81) v1(59.99,22.81) v1(59.99,6.81) v1(60.8,75.22) v1(60.8,69.52) v1(60.8,59.22) v1(60.8,53.52) v1(60.8,37.22) v1(60.8,31.52) v1(60.8,21.22) v1(60.8,15.52) v1(61.3,72.42) v1(61.3,56.42) v1(61.3,34.42) v1(61.3,18.42) v1(61.39,60.91) v1(61.39,44.91) v1(61.39,22.91) v1(61.39,6.91) v1(61.46,63.58) v1(61.46,47.58) v1(61.46,25.58) v1(61.46,9.58) v1(61.6,73.86) v1(61.6,64.72) v1(61.6,57.86) v1(61.6,48.72) v1(61.6,35.86) v1(61.6,26.72) v1(61.6,19.86) v1(61.6,10.72) v1(61.67,71.24) v1(61.7,67.62) v1(61.72,62.84) v1(61.67,55.24) v1(61.7,51.62) v1(61.72,46.84) v1(61.67,33.24) v1(61.7,29.62) v1(61.72,24.84) v1(61.67,17.24) v1(61.7,13.62) v1(61.72,8.84) v1(63.26,73.41) v1(63.26,57.41) v1(63.26,35.41) v1(63.26,19.41) v1(63.4,75.03) v1(63.39,70.21) v1(63.33,67.84) v1(63.41,62.67) v1(63.41,60.94) v1(63.4,59.03) v1(63.39,54.21) v1(63.33,51.84) v1(63.41,46.67) v1(63.41,44.94) v1(63.4,37.03) v1(63.39,32.21) v1(63.33,29.84) v1(63.41,24.67) v1(63.41,22.94) v1(63.4,21.03) v1(63.39,16.21) v1(63.33,13.84) v1(63.41,8.67) v1(63.41,6.94) v1(63.74,64.85) v1(63.74,48.85) v1(63.74,26.85) v1(63.74,10.85) v1(64.31,63.49) v1(64.25,61.4) v1(64.31,47.49) v1(64.25,45.4) v1(64.31,25.49) v1(64.25,23.4) v1(64.31,9.49) v1(64.25,7.4) v1(64.33,74.85) v1(64.33,58.85) v1(64.33,36.85) v1(64.33,20.85) v1(65.14,62.73) v1(65.14,46.73) v1(65.14,24.73) v1(65.14,8.73) v1(65.5,75.25) v1(65.52,61.13) v1(65.5,59.25) v1(65.52,45.13) v1(65.5,37.25) v1(65.52,23.13) v1(65.5,21.25) v1(65.52,7.13) v1(66.58,60.85) v1(66.58,44.85) v1(66.58,22.85) v1(66.58,6.85) v1(69.15,70.42) v1(69.15,54.42) v1(69.15,32.42) v1(69.15,16.42) v1(69.9,60.82) v1(69.9,44.82) v1(69.9,22.82) v1(69.9,6.82) v1(69.98,75.28) v1(69.98,59.28) v1(69.98,37.28) v1(69.98,21.28) v1(72.2,60.9) v1(72.2,44.9) v1(72.2,22.9) v1(72.2,6.9) v1(73.45,64.97) v1(73.45,48.97) v1(73.45,26.97) v1(73.45,10.97) v1(73.6,75.19) v1(73.6,59.19) v1(73.6,37.19) v1(73.6,21.19) v1(73.85,62.12) v1(73.85,46.12) v1(73.85,24.12) v1(73.85,8.12) v1(73.99,60.81) v1(73.99,44.81) v1(73.99,22.81) v1(73.99,6.81) v1(74.8,75.22) v1(74.8,69.52) v1(74.8,59.22) v1(74.8,53.52) v1(74.8,37.22) v1(74.8,31.52) v1(74.8,21.22) v1(74.8,15.52) v1(75.3,72.42) v1(75.3,56.42) v1(75.3,34.42) v1(75.3,18.42) v1(75.39,60.91) v1(75.39,44.91) v1(75.39,22.91) v1(75.39,6.91) v1(75.46,63.58) v1(75.46,47.58) v1(75.46,25.58) v1(75.46,9.58) v1(75.6,73.86) v1(75.6,64.72) v1(75.6,57.86) v1(75.6,48.72) v1(75.6,35.86) v1(75.6,26.72) v1(75.6,19.86) v1(75.6,10.72) v1(75.67,71.24) v1(75.7,67.62) v1(75.72,62.84) v1(75.67,55.24) v1(75.7,51.62) v1(75.72,46.84) v1(75.67,33.24) v1(75.7,29.62) v1(75.72,24.84) v1(75.67,17.24) v1(75.7,13.62) v1(75.72,8.84)
VDD_CORE_1: length 120.7
  Top w0.15: U110.42 72,28.17 v1(71.67,27.84) ; U112#2.42 15.99,12.17 v1(15.67,11.84) ; U102#2.42 15.99,28.17 v1(15.67,27.84) ; v1(29.67,11.84) 29.99,12.17 U114.42 ; v1(57.67,11.84) 57.99,12.17 U118#2.42 ; v1(29.67,49.84) 29.99,50.17 U114#2.42 ; v1(57.67,65.84) 57.99,66.16 U108#2.42 ; U106#2.42 43.99,66.16 v1(43.67,65.84) ; U112.42 15.99,50.17 v1(15.67,49.84) ; U110#2.42 72,66.16 v1(71.67,65.84) ; U106.42 43.99,28.17 v1(43.67,27.84) ; v1(29.67,27.84) 29.99,28.17 U104#2.42 ; v1(71.67,11.84) 72,12.17 U120#2.42 ; v1(43.67,49.84) 43.99,50.17 U116.42 ; v1(43.67,11.84) 43.99,12.17 U116#2.42 ; U120.42 72,50.17 v1(71.67,49.84) ; U108.42 57.99,28.17 v1(57.67,27.84) ; v1(15.67,65.84) 15.99,66.16 U102.42 ; v1(57.67,49.84) 57.99,50.17 U118.42 ; U104.42 29.99,66.16 v1(29.67,65.84)
  Bottom w0.2: U103#2.24 29.21,27.59 29.45,27.84 v1(29.67,27.84) 29.87,28.04 C106#2.1 ; C139.1 71.87,50.04 v1(71.67,49.84) 71.45,49.84 71.21,49.59 U119.24 ; U117.24 57.21,11.59 57.45,11.84 v1(57.67,11.84) 57.87,12.04 C135.1 ; U105.24 43.21,65.59 43.45,65.84 v1(43.67,65.84) 43.87,66.04 C111#2.1 ; U111#2.24 15.21,11.59 15.45,11.84 v1(15.67,11.84) 15.87,12.04 C123.1 ; U107.24 57.21,65.59 57.45,65.84 v1(57.67,65.84) 57.87,66.04 C115.1 ; U103.24 29.21,65.59 29.45,65.84 v1(29.67,65.84) 29.87,66.04 C106.1 ; U113.24 29.21,11.59 29.45,11.84 v1(29.67,11.84) 29.87,12.04 C127#2.1 ; C119#2.1 71.87,66.04 v1(71.67,65.84) 71.45,65.84 71.21,65.59 U109.24 ; C123#2.1 15.87,50.04 v1(15.67,49.84) 15.45,49.84 15.21,49.59 U111.24 ; C131#2.1 43.87,12.04 v1(43.67,11.84) 43.45,11.84 43.21,11.59 U115#2.24 ; U113#2.24 29.21,49.59 29.45,49.84 v1(29.67,49.84) 29.87,50.04 C127.1 ; C104.1 15.87,66.04 v1(15.67,65.84) 15.45,65.84 15.21,65.59 U101.24 ; C111.1 43.87,28.04 v1(43.67,27.84) 43.45,27.84 43.21,27.59 U105#2.24 ; C115#2.1 57.87,28.04 v1(57.67,27.84) 57.45,27.84 57.21,27.59 U107#2.24 ; U115.24 43.21,49.59 43.45,49.84 v1(43.67,49.84) 43.87,50.04 C131.1 ; C119.1 71.87,28.04 v1(71.67,27.84) 71.45,27.84 71.21,27.59 U109#2.24 ; C104#2.1 15.87,28.04 v1(15.67,27.84) 15.45,27.84 15.21,27.59 U101#2.24 ; C139#2.1 71.87,12.04 v1(71.67,11.84) 71.45,11.84 71.21,11.59 U119#2.24 ; C135#2.1 57.87,50.04 v1(57.67,49.84) 57.45,49.84 57.21,49.59 U117#2.24
VDD_IO_1: length 152.2
  Top w0.15: U108.28 50.95,27.56 v1(50.71,27.8) ; v1(8.71,11.8) 8.95,11.56 U112#2.28 ; v1(22.71,65.8) 22.95,65.56 U104.28 ; U102.28 8.95,65.56 v1(8.71,65.8) ; U118#2.28 50.95,11.56 v1(50.71,11.8) ; U106#2.28 36.95,65.56 v1(36.71,65.8) ; U120.28 64.94,49.56 v1(64.71,49.8) ; U118.28 50.95,49.56 v1(50.71,49.8) ; U114#2.28 22.95,49.56 v1(22.71,49.8) ; v1(64.71,65.8) 64.94,65.56 U110#2.28 ; v1(64.71,11.8) 64.94,11.56 U120#2.28 ; v1(36.71,49.8) 36.95,49.56 U116.28 ; U112.28 8.95,49.56 v1(8.71,49.8) ; U108#2.28 50.95,65.56 v1(50.71,65.8) ; v1(36.71,27.8) 36.95,27.56 U106.28 ; v1(22.71,27.8) 22.95,27.56 U104#2.28 ; v1(64.71,27.8) 64.94,27.56 U110.28 ; U114.28 22.95,11.56 v1(22.71,11.8) ; U116#2.28 36.95,11.56 v1(36.71,11.8) ; v1(8.71,27.8) 8.95,27.56 U102#2.28
  Bottom w0.2: 54.15,14.39 53.72,14.39 53.62,14.5 53.13,14.5 50.71,12.07 v1(50.71,11.8) 50.37,12.14 C133.1 ; U103.54 25.72,68.4 25.62,68.5 25.13,68.5 22.71,66.07 v1(22.71,65.8) 22.37,66.14 C103.1 ; C121#2.1 8.37,12.14 v1(8.71,11.8) 8.71,12.07 11.13,14.5 11.62,14.5 11.72,14.39 12.15,14.39 ; C101.1 8.37,28.14 v1(8.71,27.8) 8.71,28.07 11.13,30.5 11.62,30.5 11.72,30.39 12.15,30.39 ; 40.15,52.39 39.72,52.39 39.62,52.5 39.13,52.5 36.71,50.07 v1(36.71,49.8) 36.37,50.14 C129.1 ; 40.15,30.39 39.72,30.39 39.62,30.5 39.13,30.5 36.71,28.07 v1(36.71,27.8) 36.37,28.14 C107#2.1 ; C101#2.1 8.37,66.14 v1(8.71,65.8) 8.71,66.07 11.13,68.5 11.62,68.5 11.72,68.4 U101.54 ; C121.1 8.37,50.14 v1(8.71,49.8) 8.71,50.07 11.13,52.5 11.62,52.5 11.72,52.39 12.15,52.39 ; 68.16,30.39 67.72,30.39 67.62,30.5 67.13,30.5 64.71,28.07 v1(64.71,27.8) 64.37,28.14 C117.1 ; U107.54 53.72,68.4 53.62,68.5 53.13,68.5 50.71,66.07 v1(50.71,65.8) 50.37,66.14 C113.1 ; U109.54 67.72,68.4 67.62,68.5 67.13,68.5 64.71,66.07 v1(64.71,65.8) 64.37,66.14 C117#2.1 ; 26.15,14.39 25.72,14.39 25.62,14.5 25.13,14.5 22.71,12.07 v1(22.71,11.8) 22.37,12.14 C125.1 ; 68.16,52.39 67.72,52.39 67.62,52.5 67.13,52.5 64.71,50.07 v1(64.71,49.8) 64.37,50.14 C137.1 ; C113#2.1 50.37,28.14 v1(50.71,27.8) 50.71,28.07 53.13,30.5 53.62,30.5 53.72,30.39 54.15,30.39 ; 68.16,14.39 67.72,14.39 67.62,14.5 67.13,14.5 64.71,12.07 v1(64.71,11.8) 64.37,12.14 C137#2.1 ; 54.15,52.39 53.72,52.39 53.62,52.5 53.13,52.5 50.71,50.07 v1(50.71,49.8) 50.37,50.14 C133#2.1 ; C129#2.1 36.37,12.14 v1(36.71,11.8) 36.71,12.07 39.13,14.5 39.62,14.5 39.72,14.39 40.15,14.39 ; 26.15,52.39 25.72,52.39 25.62,52.5 25.13,52.5 22.71,50.07 v1(22.71,49.8) 22.37,50.14 C125#2.1 ; C103#2.1 22.37,28.14 v1(22.71,27.8) 22.71,28.07 25.13,30.5 25.62,30.5 25.72,30.39 26.15,30.39 ; C107.1 36.37,66.14 v1(36.71,65.8) 36.71,66.07 39.13,68.5 39.62,68.5 39.72,68.4 U105.54
